# Altium PCB BMS_Slave-X+X.PcbDoc (part 3 of 3)
Units mil, origin at the board's own origin, x right, y up, seen from the top; angles counter-clockwise.
Board outline 10980 x 2910 mil, 2 copper layers (Top Layer, Bottom Layer); 344 components, 227 nets, 912 pads, 975 vias.
Unrouted connection lines stored in the file: 1.
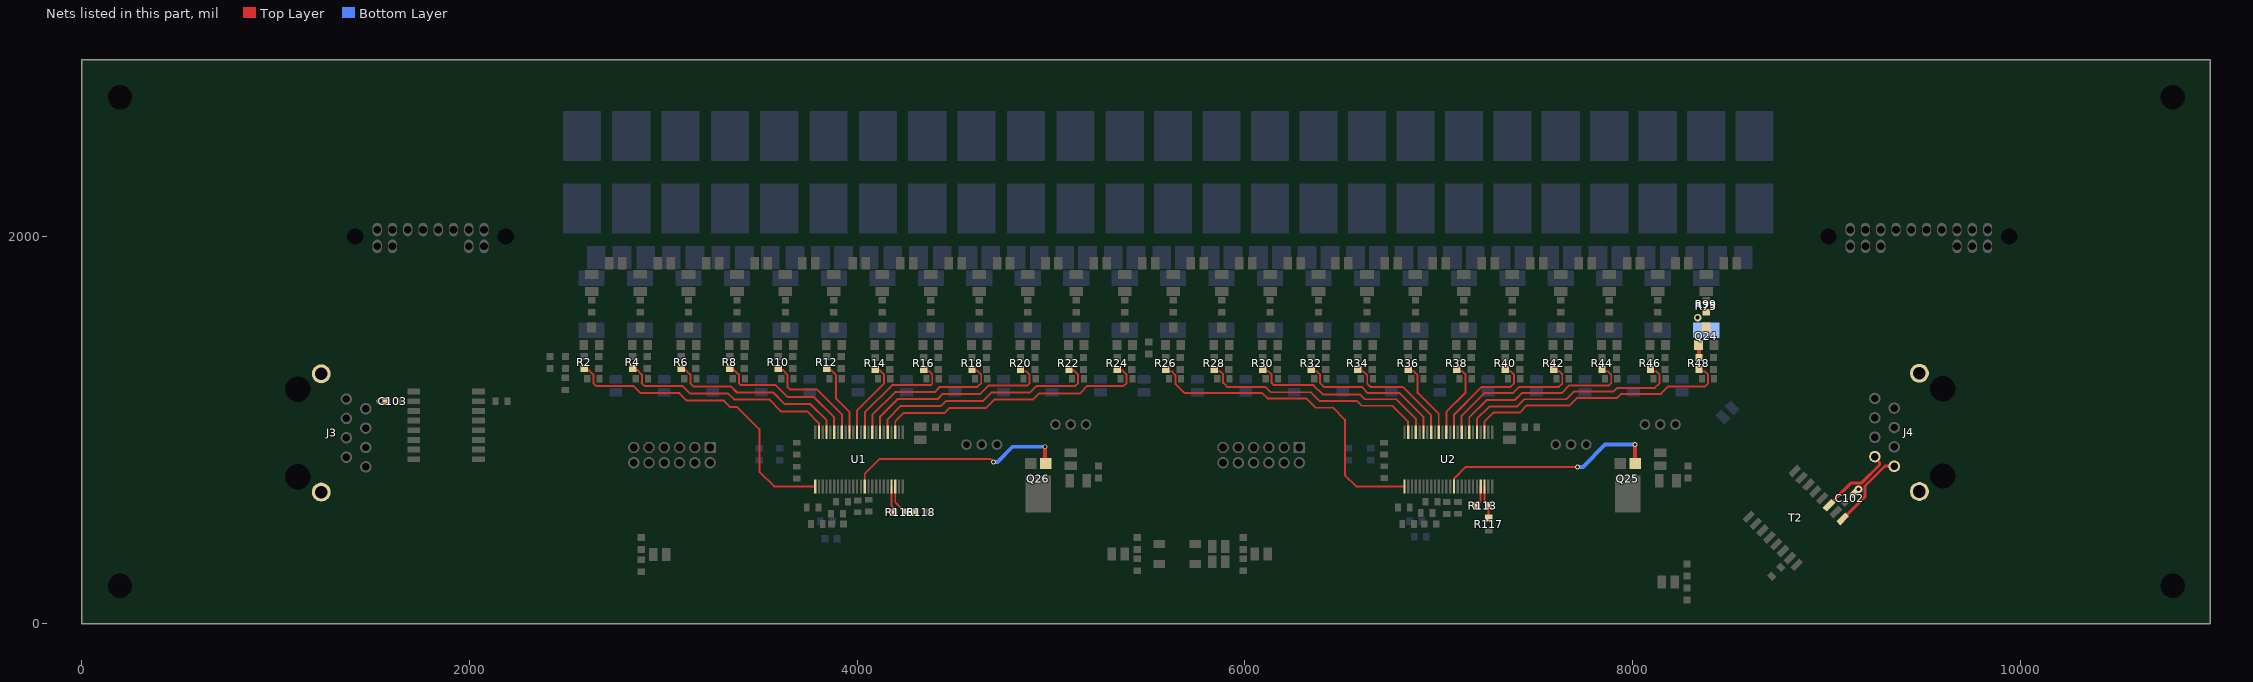
[diagram p3: the nets of this part, all layers, seen from the top]

## Via types
v1: diameter 25, hole 16, Top Layer to Bottom Layer, tented both sides, 689 vias
v2: diameter 39, hole 20, Top Layer to Bottom Layer, tented both sides, 183 vias
v3: diameter 25, hole 12, Top Layer to Bottom Layer, tented both sides, 62 vias
v4: diameter 39, hole 20, Top Layer to Bottom Layer, tented bottom, 25 vias
v5: diameter 25, hole 16, Top Layer to Bottom Layer, tented bottom, 12 vias
v6: diameter 50, hole 25, Top Layer to Bottom Layer, tented bottom, 4 vias

## Nets (pads, with @x,y where several pads share a name; then routed paths per layer and width w, separated by ;. In a path a pad name is that pad's centre, name@x,y a point inside that pad or via, vN(x,y) a via of type N, cw(c..) or ccw(c..) an arc to the next point about the centre after c; other vN are vias at no path point) (continued)
NetQ24_1: Q24.1 R48.2 | length 65.2
  Top Layer w20: R48.2@8342.6,1373.16 Q24.1@8342.6,1438.39
NetQ24_3: Q24.3 R75.2 R99.1
  other v2: 8335.91,1580.1
NetQ25_1: Q25.1 U2.38 | length 1132
  Top Layer w10: U2.38@7078.94,708.9 7078.94,749.13 7139.8,810 v1(7716.29,810)
  Top Layer w20: Q25.1@8011.82,838.35 v5(8011.82,924.57)
  Bottom Layer w20: v1(7716.29,810) 7743.62,810 7858.19,924.57 v5(8011.82,924.57)
NetQ26_1: Q26.1 U1.38 | length 1153.4
  Top Layer w10: U1.38@4038.47,708.43 U1.38@4038.94,708.9 4038.94,774.22 4114.72,850 4689,850 v1(4704,835) ; Q26.1@4969.46,828.66 Q26.1@4970.68,827.44
  Top Layer w20: Q26.1@4969.46,828.66 v5(4969.46,913.66)
  Bottom Layer w20: v1(4704,835) 4723.54,835 4802.2,913.66 v5(4969.46,913.66)
NetR113_1: R113.1 U2.45 | length 106.9
  Top Layer w10: R113.1@7197.5,610 7216.73,629.23 U2.45@7216.73,708.9
NetR113_2: R113.2 R117.1 U2.46 | length 171.2
  Top Layer w10: U2.46@7236.42,708.9 7236.42,630.08 R113.2@7256.5,610 ; R117.1@7258,546 R113.2@7258,610
NetR116_1: R116.1 U1.45 | length 139.6
  Top Layer w10: U1.45@4176.73,708.9 4176.73,608.27 4190.5,594.5 R116.1@4190.5,575
NetR116_2: R116.2 R118.1 U1.46 | length 206.9
  Top Layer w10: U1.46@4196.42,708.9 4196.42,628.08 4249.5,575 R118.1@4300.5,575
PORTB_N: J4.1 T2.1 | length 412.1
  Top Layer w15: T2.1@9084.2,541.71 9198.7,656.21 9198.7,711.11 9250.14,762.56 9250.27,762.56 9302.79,815.08 9347.8,815.08 J4.1@9350,812.87
PORTB_P: J4.2 T2.3 | length 400.5
  Top Layer w15: T2.3@9013.49,612.42 9128.76,727.7 9182.75,727.7 9274.64,819.58 9274.64,831.88 9250,856.52 J4.2@9250,862.87
S1: R2.1 U1.25 | length 1597.7
  Top Layer w10: R2.1@2592.6,1319.16 2603.1,1308.66 2616.29,1308.66 2639.4,1285.55 2639.4,1241.78 2655,1226.18 2847.48,1226.18 2883.48,1190.18 3082.54,1190.18 3121.06,1151.66 3312,1151.66 3345,1118.66 3381.34,1118.66 3495,1005 3495,785 3571.1,708.9 U1.25@3783.03,708.9
S2: R4.1 U1.23 | length 1150.1
  Top Layer w10: R4.1@2842.6,1319.16 R4.1@2851.81,1309.95 ; R4.1@2852.05,1310.18 2865.24,1310.18 2889.64,1285.78 2889.64,1243.55 ; 2888.5,1242.5 2904.82,1226.18 3099.64,1226.18 3138.16,1187.66 3335,1187.66 3365,1157.66 3545.54,1157.66 3606.54,1096.66 3741.71,1096.66 3802.72,1035.66 U1.23@3802.72,988.43
S3: R6.1 U1.21 | length 948.7
  Top Layer w10: R6.1@3092.6,1319.16 3102.46,1309.3 3115.64,1309.3 3129.79,1295.16 3139.4,1285.55 3139.4,1241.78 3157.52,1223.66 3350,1223.66 3380,1193.66 3566,1193.66 3626,1133.66 3759.24,1133.66 3842.09,1050.82 U1.21@3842.09,988.43
S4: R8.1 U1.19 | length 746.7
  Top Layer w10: R8.1@3342.6,1319.16 3352.46,1309.3 3365.64,1309.3 3389.4,1285.55 3389.4,1241.78 3399.02,1232.16 3435.79,1232.16 3435.88,1232.26 3579.54,1232.26 3642.14,1169.66 3777.28,1169.66 3881.46,1065.49 U1.19@3881.46,988.43
S5: R10.1 U1.17 | length 555.8
  Top Layer w10: R10.1@3592.6,1319.16 3601.81,1309.95 3615,1309.95 3640,1284.95 3640,1222.72 3654.05,1208.66 3792.91,1208.66 3920.83,1080.75 U1.17@3920.83,988.43
S6: R12.1 U1.15 | length 387.2
  Top Layer w10: R12.1@3842.6,1319.16 3853.6,1308.16 3866.79,1308.16 3890,1284.95 3890,1164.33 3960.2,1094.13 U1.15@3960.2,988.43
S7: R14.1 U1.13 | length 412
  Top Layer w10: U1.13@3999.57,988.43 3999.57,1101.94 4137.4,1239.78 4137.4,1287.55 4116.79,1308.16 4098.6,1308.16 R14.1@4092.6,1314.16
S8: R16.1 U1.11 | length 615.9
  Top Layer w10: U1.11@4038.94,988.43 4039.72,989.2 4039.72,1091.18 4180.7,1232.16 4379.79,1232.16 4387.4,1239.78 4387.4,1287.55 4371.79,1303.16 4353.6,1303.16 R16.1@4342.6,1314.16
S9: R18.1 U1.9 | length 821.9
  Top Layer w10: U1.9@4078.31,988.43 4078.31,1078.86 4195.61,1196.16 4401.1,1196.16 4427.31,1222.38 4620,1222.38 4640,1242.38 4640,1284.95 4616.79,1308.16 4598.6,1308.16 R18.1@4592.6,1314.16
S10: R20.1 U1.7 | length 1025.8
  Top Layer w10: U1.7@4117.68,988.43 4117.68,1067.32 4210.52,1160.16 4416.01,1160.16 4442.22,1186.38 4634.91,1186.38 4677.2,1228.66 4876.29,1228.66 4890,1242.38 4890,1284.95 4871.79,1303.16 4853.6,1303.16 R20.1@4842.6,1314.16
S11: R22.1 U1.5 | length 1229.7
  Top Layer w10: U1.5@4157.05,988.43 4157.05,1055.78 4225.43,1124.16 4433.79,1124.16 4460,1150.38 4649.82,1150.38 4692.11,1192.66 4891.2,1192.66 4926.6,1228.06 5125.69,1228.06 5140,1242.38 5140,1284.95 5116.79,1308.16 5098.6,1308.16 R22.1@5092.6,1314.16
S12: R24.1 U1.3 | length 1433.5
  Top Layer w10: U1.3@4196.42,988.43 4196.42,1044.23 4240.34,1088.16 4451.24,1088.16 4477.46,1114.38 4664.73,1114.38 4707.02,1156.66 4906.11,1156.66 4937.11,1187.66 5147.66,1187.66 5187.38,1227.38 5375,1227.38 5390,1242.38 5390,1284.95 5366.79,1308.16 5348.6,1308.16 R24.1@5342.6,1314.16
S13: R26.1 U2.25 | length 1674.8
  Top Layer w10: R26.1@5592.6,1314.16 5603.6,1303.16 5621.79,1303.16 5641.4,1283.55 5641.4,1239.78 5690.18,1191 6089.03,1191 6117.03,1163 6317,1163 6365,1115 6455,1115 6516.16,1053.84 6516.16,767.07 6574.33,708.9 U2.25@6823.03,708.9
S14: R28.1 U2.23 | length 1192.8
  Top Layer w10: R28.1@5842.6,1314.16 5853.6,1303.16 5871.79,1303.16 5887.4,1287.55 5887.4,1243.78 5908.18,1223 6105.55,1223 6133.55,1195 6339.5,1195 6384.5,1150 6578.04,1150 6602.76,1125.28 6760.63,1125.28 6842.72,1043.19 U2.23@6842.72,988.43
S15: R30.1 U2.21 | length 990.9
  Top Layer w10: R30.1@6092.6,1314.16 6103.6,1303.16 6121.79,1303.16 6137.98,1286.97 6137.98,1243.2 6149.02,1232.16 6353.76,1232.16 6403.37,1182.55 6594.82,1182.55 6618.37,1159 6781.28,1159 6882.09,1058.19 U2.21@6882.09,988.43
S16: R32.1 U2.19 | length 786.4
  Top Layer w10: R32.1@6342.6,1314.16 6353.6,1303.16 6371.79,1303.16 6387.4,1287.55 6387.4,1243.78 6410,1221.18 6604.75,1221.18 6634.92,1191 6799,1191 6921.46,1068.54 U2.19@6921.46,988.43
S17: R34.1 U2.17 | length 589.8
  Top Layer w10: R34.1@6582.6,1314.16 6593.6,1303.16 6611.79,1303.16 6631.4,1283.55 6631.4,1239.78 6648.18,1223 6813.4,1223 6960.83,1075.57 U2.17@6960.83,988.43
S18: R36.1 U2.15 | length 401.7
  Top Layer w10: R36.1@6842.6,1314.16 6853.6,1303.16 6871.79,1303.16 6891.4,1283.55 6891.4,1192.11 7000.2,1083.32 U2.15@7000.2,988.43
S19: R38.1 U2.13 | length 395.5
  Top Layer w10: U2.13@7039.57,988.43 7039.57,1093.28 7137.4,1191.12 7137.4,1287.55 7121.79,1303.16 7103.6,1303.16 R38.1@7092.6,1314.16
S20: R40.1 U2.11 | length 569.2
  Top Layer w10: U2.11@7078.94,988.43 7078.94,1078.94 7222.1,1222.1 7369.73,1222.1 7387.4,1239.78 7387.4,1287.55 7371.79,1303.16 7353.6,1303.16 R40.1@7342.6,1314.16
S21: R42.1 U2.9 | length 776.4
  Top Layer w10: U2.9@7118.31,988.43 7118.31,1073.05 7235.36,1190.1 7382.98,1190.1 7415.6,1222.72 7620.34,1222.72 7637.4,1239.78 7637.4,1287.55 7621.79,1303.16 7603.6,1303.16 R42.1@7592.6,1314.16
S22: R44.1 U2.7 | length 984.5
  Top Layer w10: U2.7@7157.68,988.43 7157.68,1065.05 7247.63,1155 7393.13,1155 7428.85,1190.72 7633.6,1190.72 7672.88,1230 7877.62,1230 7890,1242.38 7890,1284.95 7871.79,1303.16 7853.6,1303.16 R44.1@7842.6,1314.16
S23: R46.1 U2.5 | length 1190.4
  Top Layer w10: U2.5@7197.05,988.43 7197.05,1057.05 7262.45,1122.45 7405.84,1122.45 7442.11,1158.72 7658.22,1158.72 7697.51,1198 7901,1198 7921,1218 8115.62,1218 8140,1242.38 8140,1284.95 8121.79,1303.16 8103.6,1303.16 R46.1@8092.6,1314.16
S24: R48.1 U2.3 | length 1395
  Top Layer w10: U2.3@7236.42,988.43 7236.42,1044.54 7282.33,1090.45 7419.1,1090.45 7455.36,1126.72 7676.14,1126.72 7715.43,1166 7920.9,1166 7940.9,1186 8146,1186 8185,1225 8374.77,1225 8390,1240.23 8390,1284.95 8371.79,1303.16 8353.6,1303.16 R48.1@8342.6,1314.16
SHIELD1: C103.2 J3.9 J3.10 | length 33.3
  Top Layer w30: v2(1540.38,1149.5) 1540.63,1149.25 1573.25,1149.25 C103.2@1573.5,1149
SHIELD2: C102.2 J4.9 J4.10 | length 33.1
  Top Layer w30: C102.2@9142.27,671.27 v2(9165.7,694.7)
pads on no net: J1.11 J1.12 J2.11 J2.12 J3.3 J3.4 J3.5 J3.6 J3.7 J3.8 J3.MH1 J3.MH2 J4.3 J4.4 J4.5 J4.6 J4.7 J4.8 J4.MH1 J4.MH2 P1.0 P2.0 P2.1 P2.2 P2.3 T1.4 T1.5 T1.6 T1.7 T1.8 T1.9 T1.10 T1.11 T1.12 T1.13 T2.4 T2.5 T2.6 T2.7 T2.8 T2.9 T2.10 T2.11 T2.12 T2.13 U1.39 U1.43 U1.44 U2.39 U2.43 U2.44

## Polygon pours and split planes (outlines as drawn)
GNDB on Bottom Layer "Bottom Layer-GNDB" (solid, pour order 227): 5683,5 8965,20 8965,152.43 8469.47,645.47 8469.48,992.48 8496,1019 8496,1051.1 8446.4,1098.32 8406.7,1098.32 8290.25,1215 5683,1215 5598,1250 5563.12,1325.12 5529,1307 5532.87,1255.15 5683,947.95
GNDA on Bottom Layer "Bottom Layer-GNDA" (solid, remove dead copper, pour order 210): 2079,1349 2435,1349 2552.5,1219 5450,1219 5505,1201.5 5630,937.37 5630,5 2079,5
NetC69_1 on Bottom Layer "Buttom Layer-NetC69_1" (solid, pour order 213): 7893.1,700 8041.05,700 8091.05,650 8275,650 8325,700 8375,700 8375,630 8180,435 7893.1,435
SHIELD1 on Bottom Layer "Bottom-GND_EARTH 1" (solid, remove dead copper, pour order 431): 1675,1412 1675,625 1530,480 1530,0 0,0 0,1412
SHIELD2 on Bottom Layer "Bottom-GND_EARTH 1" (solid, remove dead copper, pour order 427): 9469,213.06 8852.18,821.18 9092,1061 9092,1341 10980,1341 10980,5.2 9469,14.18
NetQ12_3 on Bottom Layer "Bottom-N18852330" (solid, remove dead copper, pour order 191): 5303.23,1432.6 5409.09,1432.6 5456.77,1485.7 5456.77,1612.6 5303.23,1612.6
NetC70_1 on Bottom Layer "Buttom Layer-NetC70_1" (solid, pour order 209): 4884.92,725 4995,725 5038.43,681.57 5260,681.57 5345,775.03 5345,985 5558.85,985 5575,948.98 5575,550.95 4884.92,550.95
NetQ24_3 on Bottom Layer "Bottom-N18852330" (solid, remove dead copper, pour order 202): 8303.23,1435.1 8456.77,1435.1 8456.77,1615.1 8303.23,1615.1
CELL16 on Bottom Layer "Bottom-N17555838" (solid, remove dead copper, pour order 204): 6706.77,1921.16 6553.23,1921.16 6553.23,1741.16 6706.77,1741.16
NetQ17_3 on Bottom Layer "Bottom-N18852330" (solid, remove dead copper, pour order 203): 6553.23,1435.1 6706.77,1435.1 6706.77,1615.1 6553.23,1615.1
NetQ23_3 on Bottom Layer "Bottom-N18852330" (solid, remove dead copper, pour order 201): 8053.23,1435.1 8206.77,1435.1 8206.77,1615.1 8053.23,1615.1
NetQ22_3 on Bottom Layer "Bottom-N18852330" (solid, remove dead copper, pour order 200): 7803.23,1435.1 7956.77,1435.1 7956.77,1615.1 7803.23,1615.1
NetQ21_3 on Bottom Layer "Bottom-N18852330" (solid, remove dead copper, pour order 199): 7553.23,1435.1 7706.77,1435.1 7706.77,1615.1 7553.23,1615.1
NetQ20_3 on Bottom Layer "Bottom-N18852330" (solid, remove dead copper, pour order 198): 7303.23,1435.1 7456.77,1435.1 7456.77,1615.1 7303.23,1615.1
NetQ19_3 on Bottom Layer "Bottom-N18852330" (solid, remove dead copper, pour order 197): 7053.23,1435.1 7206.77,1435.1 7206.77,1615.1 7053.23,1615.1
NetQ18_3 on Bottom Layer "Bottom-N18852330" (solid, remove dead copper, pour order 196): 6803.23,1435.1 6956.77,1435.1 6956.77,1615.1 6803.23,1615.1
NetQ16_3 on Bottom Layer "Bottom-N18852330" (solid, remove dead copper, pour order 195): 6303.23,1435.1 6456.77,1435.1 6456.77,1615.1 6303.23,1615.1
NetQ15_3 on Bottom Layer "Bottom-N18852330" (solid, remove dead copper, pour order 194): 6053.23,1435.1 6206.77,1435.1 6206.77,1615.1 6053.23,1615.1
NetQ14_3 on Bottom Layer "Bottom-N18852330" (solid, remove dead copper, pour order 193): 5803.23,1435.1 5956.77,1435.1 5956.77,1615.1 5803.23,1615.1
NetQ13_3 on Bottom Layer "Bottom-N18852330" (solid, remove dead copper, pour order 192): 5553.23,1435.1 5706.77,1435.1 5706.77,1615.1 5553.23,1615.1
NetQ11_3 on Bottom Layer "Bottom-N18852330" (solid, remove dead copper, pour order 190): 5053.23,1432.6 5206.77,1432.6 5206.77,1612.6 5053.23,1612.6
NetQ10_3 on Bottom Layer "Bottom-N18852330" (solid, remove dead copper, pour order 189): 4803.23,1432.6 4956.77,1432.6 4956.77,1612.6 4803.23,1612.6
NetQ9_3 on Bottom Layer "Bottom-N18852330" (solid, remove dead copper, pour order 188): 4553.23,1432.6 4706.77,1432.6 4706.77,1612.6 4553.23,1612.6
NetQ8_3 on Bottom Layer "Bottom-N18852330" (solid, remove dead copper, pour order 187): 4303.23,1432.6 4456.77,1432.6 4456.77,1612.6 4303.23,1612.6
NetQ7_3 on Bottom Layer "Bottom-N18852330" (solid, remove dead copper, pour order 186): 4053.23,1432.6 4206.77,1432.6 4206.77,1612.6 4053.23,1612.6
NetQ6_3 on Bottom Layer "Bottom-N18852330" (solid, remove dead copper, pour order 185): 3803.23,1432.6 3956.77,1432.6 3956.77,1612.6 3803.23,1612.6
NetQ5_3 on Bottom Layer "Bottom-N18852330" (solid, remove dead copper, pour order 184): 3553.23,1432.6 3706.77,1432.6 3706.77,1612.6 3553.23,1612.6
NetQ4_3 on Bottom Layer "Bottom-N18852330" (solid, remove dead copper, pour order 183): 3303.23,1432.6 3456.77,1432.6 3456.77,1612.6 3303.23,1612.6
NetQ3_3 on Bottom Layer "Bottom-N18852330" (solid, remove dead copper, pour order 182): 3053.23,1432.6 3206.77,1432.6 3206.77,1612.6 3053.23,1612.6
NetQ2_3 on Bottom Layer "Bottom-N18852330" (solid, remove dead copper, pour order 181): 2803.23,1432.6 2956.77,1432.6 2956.77,1612.6 2803.23,1612.6
NetQ1_3 on Bottom Layer "Bottom-N18852330" (solid, remove dead copper, pour order 180): 2553.23,1432.6 2706.77,1432.6 2706.77,1612.6 2553.23,1612.6
CELL12 on Bottom Layer "Bottom-N17555838" (solid, remove dead copper, pour order 179): 5706.77,1921.16 5553.23,1921.16 5553.23,1741.16 5706.77,1741.16
CELL13 on Bottom Layer "Bottom-N17555838" (solid, remove dead copper, pour order 178): 5956.77,1921.16 5803.23,1921.16 5803.23,1741.16 5956.77,1741.16
CELL14 on Bottom Layer "Bottom-N17555838" (solid, remove dead copper, pour order 177): 6206.77,1921.16 6053.23,1921.16 6053.23,1741.16 6206.77,1741.16
CELL15 on Bottom Layer "Bottom-N17555838" (solid, remove dead copper, pour order 176): 6456.77,1921.16 6303.23,1921.16 6303.23,1741.16 6456.77,1741.16
CELL17 on Bottom Layer "Bottom-N17555838" (solid, remove dead copper, pour order 175): 6956.77,1921.16 6803.23,1921.16 6803.23,1741.16 6956.77,1741.16
CELL18 on Bottom Layer "Bottom-N17555838" (solid, remove dead copper, pour order 174): 7206.77,1921.16 7053.23,1921.16 7053.23,1741.16 7206.77,1741.16
CELL19 on Bottom Layer "Bottom-N17555838" (solid, remove dead copper, pour order 173): 7456.77,1921.16 7303.23,1921.16 7303.23,1741.16 7456.77,1741.16
CELL20 on Bottom Layer "Bottom-N17555838" (solid, remove dead copper, pour order 172): 7706.77,1921.16 7553.23,1921.16 7553.23,1741.16 7706.77,1741.16
CELL21 on Bottom Layer "Bottom-N17555838" (solid, remove dead copper, pour order 171): 7956.77,1921.16 7803.23,1921.16 7803.23,1741.16 7956.77,1741.16
CELL22 on Bottom Layer "Bottom-N17555838" (solid, remove dead copper, pour order 170): 8206.77,1921.16 8053.23,1921.16 8053.23,1741.16 8206.77,1741.16
CELL23 on Bottom Layer "Bottom-N17555838" (solid, remove dead copper, pour order 169): 8456.77,1921.16 8303.23,1921.16 8303.23,1741.16 8456.77,1741.16
CELL11 on Bottom Layer "Bottom-N17555838" (solid, remove dead copper, pour order 168): 5456.77,1918.66 5303.23,1918.66 5303.23,1738.66 5456.77,1738.66
CELL10 on Bottom Layer "Bottom-N17555838" (solid, remove dead copper, pour order 167): 5206.77,1918.66 5053.23,1918.66 5053.23,1738.66 5206.77,1738.66
CELL9 on Bottom Layer "Bottom-N17555838" (solid, remove dead copper, pour order 166): 4956.77,1918.66 4803.23,1918.66 4803.23,1738.66 4956.77,1738.66
CELL8 on Bottom Layer "Bottom-N17555838" (solid, remove dead copper, pour order 165): 4706.77,1918.66 4553.23,1918.66 4553.23,1738.66 4706.77,1738.66
CELL7 on Bottom Layer "Bottom-N17555838" (solid, remove dead copper, pour order 164): 4456.77,1918.66 4303.23,1918.66 4303.23,1738.66 4456.77,1738.66
CELL6 on Bottom Layer "Bottom-N17555838" (solid, remove dead copper, pour order 163): 4206.77,1918.66 4053.23,1918.66 4053.23,1738.66 4206.77,1738.66
CELL5 on Bottom Layer "Bottom-N17555838" (solid, remove dead copper, pour order 162): 3956.77,1918.66 3803.23,1918.66 3803.23,1738.66 3956.77,1738.66
CELL4 on Bottom Layer "Bottom-N17555838" (solid, remove dead copper, pour order 161): 3706.77,1918.66 3553.23,1918.66 3553.23,1738.66 3706.77,1738.66
CELL3 on Bottom Layer "Bottom-N17555838" (solid, remove dead copper, pour order 160): 3456.77,1918.66 3303.23,1918.66 3303.23,1738.66 3456.77,1738.66
CELL2 on Bottom Layer "Bottom-N17555838" (solid, remove dead copper, pour order 159): 3206.77,1918.66 3053.23,1918.66 3053.23,1738.66 3206.77,1738.66
CELL1 on Bottom Layer "Bottom-N17555838" (solid, remove dead copper, pour order 158): 2956.77,1918.66 2803.23,1918.66 2803.23,1738.66 2956.77,1738.66
CELL0 on Bottom Layer "Bottom-N17555838" (solid, remove dead copper, pour order 157): 2706.77,1918.66 2553.23,1918.66 2553.23,1738.66 2706.77,1738.66
GNDB on Top Layer "SPI-SHIELDING" (solid, pour order 445): 7297.64,630 7298.14,629.5 7360.29,629.5 7371.79,618 7371.79,492.03 7690.27,185 8065.14,185 8129.69,120 8235,120 8235,94 8325,94 8325,133 8342,149 8342,175.3 8358.37,192 8653.42,192 8674.03,172.97 8761,173.01 8823.5,235.5 8947,120 8947,52 7638,52 7297.64,392.36
GNDB on Top Layer "Top Layer-GNDB 2" (solid, pour order 423): 5680,444.96 5680,510.12 6346.88,510.12 6435,422 6996,422 7090.09,516.09 7090,522.43 7123.1,522.43 7123.54,521.99 7123.54,493.17 7011.12,380.75 6213.04,380.75 6145,448.79 6027,448.79 6027,472 5955,472 5955,444.96
GNDB on Top Layer "SPI-SHIELDING" (solid, pour order 447): 7297.31,774 7481,774 7865,390 8215.66,390 8433.83,608.17 8686,356 8686,318 8648,282.99 8648,255.68 8636,243.68 8394,243.68 8326.34,311.34 8326,340 8236,340 8236,311.34 8137,311.34 8053.49,236 7715.28,236 7425.72,525.56 7425.72,644.28 7382,688 7297.31,688
GNDA on Top Layer "Top Layer-GNDA 4" (solid, pour order 417): 5633.46,449.13 5633.46,510.12 4819.58,510.12 4494.71,835 4187.73,835 4157.05,803.71 4157.05,801.03 4157.05,778.37 4205.36,778.37 4230.7,803.71 4381.73,803.71 4799.33,386.11 5224.12,386.11 5287.15,449.13 5406,449.13 5406,478 5483,478 5483,449.13
GNDA on Top Layer "Top Layer-GNDA 2" (solid, pour order 419): 5633.96,270.26 5633.96,206.25 4784.9,206.25 4715,276.16 4383,603.15 4243,603.15 4211.71,634.42 4211.71,660 4255,660 4255,749.76 4361.4,749.89 4776.15,335.87 5223.94,334.71 5288.39,270.26 5406,270.26 5406,249 5483,249 5483,270.26
GNDA on Top Layer "Top Layer-GNDB 2" (solid, pour order 429): 2602,379.75 2602,915.92 2324.94,1178 2274,1178 2213,1236.32 2081,1236.32 2081,1349 2323,1349 2364.8,1307.2 2364.8,1230.84 2753.81,862.86 2753.81,739.33 2925.1,614.97 3165.92,615.29 3376.6,416 3917,416 4028,527 4070,527 4070,510 3939.75,379.75 3103.79,379.75 3033.54,450 2925,450 2925,480 2850,480 2850,433 2837,420 2837,396.08 2820,379.75
GNDA on Top Layer "SPI-SHIELDING" (solid, pour order 443): 2120,1074 2244,1074 2267,1097 2309,1097 2531,875 2531,495.97 2701.28,326 2820,326 2833,313 2833,286.52 2851,268.52 2851,230 2925,230 2925,263 3033,263 3101,331 3975,331 4135,491 4135,660 4157.05,660 4157.05,421 3886.05,150 2705,150 2384,471 2384,771 2309,846 2120,846
GNDA on Top Layer "SPI-SHIELDING" (solid, pour order 439): 1873,902
NetC69_1 on Top Layer "Buttom Layer-NetC69_1" (solid, pour order 211): 7893.1,700 8041.05,700 8091.05,650 8275.15,650 8325.15,700 8374.77,700 8374.77,631.77 8178,435 7893.1,435
GNDB on Top Layer "Top Layer-GNDB 1" (solid, pour order 425): 5680,269.68 5680,206.25 6351.25,206.25 6426.14,281.14 7052.47,281 7213.27,441.8 7213.13,560 7172.13,560 7172.13,473.04 7031.25,332.16 6217.69,332.16 6157.37,271.84 6027,271.84 6027,249 5955,249 5955,269.68
GNDA on Top Layer "Top Layer-GNDA 1" (solid, pour order 421): 4304.51,603.15 4389.75,603.15 4389.75,661.74 4390.5,662.48 4304.51,662.48
NetC70_1 on Top Layer "Buttom Layer-NetC70_1" (solid, pour order 405): 4884.92,725 4995,725 5038.43,681.57 5260,681.57 5345,775.03 5345,1065 5522.97,1065 5575,948.98 5575,550.95 4884.92,550.95

## Keep-outs
Top Layer:
  region: 5215,538.74 5619.4,538.74 5619.4,521.05 5215,521.05
  region: 5632.41,514.57
  region: 7148.31,789.65 7210,789.65 7210,771.34 7196.42,757.76 7118.7,757.76
Keep-Out Layer:
  circle w10: c10787.4,2716.54 r120.46
  circle w10: c10787.4,196.85 r120.46
  circle w10: c196.85,196.85 r120.46

## Other copper
Top Layer:
  pour cut-out: 116,2033.78
  pour cut-out: 4238,590.39 4238,603.15 4317.96,603.15 4320.45,600.67 4320.45,590.39
  pour cut-out: 7075,610 7122.04,610 7123.71,608.33 7123.71,588.24 7075,588.24
  pour cut-out: 4208.85,749.76 4255,749.76 4255,662.48 4252.52,660 4208.85,660
  pour cut-out: 7166.63,667.46 7213.21,667.46 7213.21,571.35 7167.57,571.35
  pour cut-out: 5828.47,285.85 5828.47,434.15 6144.35,434.15 6215,363.5 6215,349.46 6151.39,285.85
  pour cut-out: 4157.05,778.37 4207.01,778.37 4200.81,772.17 4200.81,750.33 4157.05,750.33
  pour cut-out: 5314.96,444.96 5633.46,444.96 5634.42,512.34 5680,512.34 5680,444.96 5965.82,444.96 5965.82,269.68 5680,269.68 5680,201.68 5633.96,202.23 5633.96,269.68 5320.32,269.68 5230,360
  region net C12: 5451,1302 5455.52,1306 5504.48,1306 5509,1302 5509,1263.66 5451,1263.66
  region net C24: 8521.92,1179.49 8578.49,1122.92 8526.77,1071.2 8470.2,1127.77
  region net C23: 8215,1313.81 8295,1313.81 8295,1263.66 8215,1263.66
  region net C22: 7965,1313.81 8045,1313.81 8045,1263.66 7965,1263.66
  region net C21: 7715,1313.81 7795,1313.81 7795,1263.66 7715,1263.66
  region net C20: 7465,1313.81 7545,1313.81 7545,1263.66 7465,1263.66
  region net C19: 7215,1313.81 7295,1313.81 7295,1263.66 7215,1263.66
  region net C18: 6965,1313.81 7045,1313.81 7045,1263.66 6965,1263.66
  region net C17: 6715,1313.81 6795,1313.81 6795,1263.66 6715,1263.66
  region net C16: 6465,1313.81 6545,1313.81 6545,1263.66 6465,1263.66
  region net C15: 6215,1313.81 6295,1313.81 6295,1263.66 6215,1263.66
  region net C14: 5965,1313.81 6045,1313.81 6045,1263.66 5965,1263.66
  region net C13: 5715,1313.81 5795,1313.81 5795,1263.66 5715,1263.66
  region net C11: 5215,1313.81 5295,1313.81 5295,1263.66 5215,1263.66
  region net C10: 4965,1313.81 5045,1313.81 5045,1263.66 4965,1263.66
  region net C9: 4715,1313.81 4795,1313.81 4795,1263.66 4715,1263.66
  region net C8: 4465,1313.81 4545,1313.81 4545,1263.66 4465,1263.66
  region net C7: 4215,1313.81 4295,1313.81 4295,1263.66 4215,1263.66
  region net C6: 3965,1313.81 4045,1313.81 4045,1263.66 3965,1263.66
  region net C5: 3715,1313.81 3795,1313.81 3795,1263.66 3715,1263.66
  region net C4: 3465,1313.81 3545,1313.81 3545,1263.66 3465,1263.66
  region net C3: 3215,1313.81 3295,1313.81 3295,1263.66 3215,1263.66
  region net C2: 2965,1313.81 3045,1313.81 3045,1263.66 2965,1263.66
  region net C1: 2715,1313.81 2795,1313.81 2795,1263.66 2715,1263.66
  region net CELL_UF_24: 8810,2848 8530,2848 8530,2803 8810,2803
  region net CELL_UF_23: 8280.45,2730 8480,2730 8480,2850 8280.45,2850
  region net CELL_UF_22: 8030.45,2730 8230,2730 8230,2850 8030.45,2850
  region net CELL_UF_21: 7780.45,2730 7980,2730 7980,2850 7780.45,2850
  region net CELL_UF_20: 7530.45,2730 7730,2730 7730,2850 7530.45,2850
  region net CELL_UF_19: 7280.45,2730 7480,2730 7480,2850 7280.45,2850
  region net CELL_UF_18: 7030.45,2730 7230,2730 7230,2850 7030.45,2850
  region net CELL_UF_17: 6780.45,2730 6980,2730 6980,2850 6780.45,2850
  region net CELL_UF_16: 6530.45,2730 6730,2730 6730,2850 6530.45,2850
  region net CELL_UF_15: 6280.45,2730 6480,2730 6480,2850 6280.45,2850
  region net CELL_UF_14: 6030.45,2730 6230,2730 6230,2850 6030.45,2850
  region net CELL_UF_13: 5780.45,2730 5980,2730 5980,2850 5780.45,2850
  region net CELL_UF_12: 5530.45,2730 5730,2730 5730,2850 5530.45,2850
  region net CELL_UF_11: 5280.45,2730 5480,2730 5480,2850 5280.45,2850
  region net CELL_UF_10: 5025.91,2730 5225.45,2730 5225.45,2850 5025.91,2850
  region net CELL_UF_9: 4771.36,2730 4970.91,2730 4970.91,2850 4771.36,2850
  region net CELL_UF_8: 4516.82,2730 4716.36,2730 4716.36,2850 4516.82,2850
  region net CELL_UF_7: 4262.27,2730 4461.82,2730 4461.82,2850 4262.27,2850
  region net CELL_UF_6: 4007.73,2730 4207.27,2730 4207.27,2850 4007.73,2850
  region net CELL_UF_5: 3753.18,2730 3952.73,2730 3952.73,2850 3753.18,2850
  region net CELL_UF_4: 3498.64,2730 3698.18,2730 3698.18,2850 3498.64,2850
  region net CELL_UF_3: 3244.09,2730 3443.64,2730 3443.64,2850 3244.09,2850
  region net CELL_UF_2: 2989.55,2730 3189.09,2730 3189.09,2850 2989.55,2850
  region net CELL_UF_1: 2735,2730 2934.55,2730 2934.55,2850 2735,2850
  region net CELL_UF_0: 2400,2805 2680,2805 2680,2850 2400,2850
  region net GNDB: 7078.12,578.63 7123,578.63 7123,532.63 7078.12,532.63
  region net GNDB: 7019.12,577.63 7067.23,577.63 7067.23,531.63 7019.12,531.63
  region net GNDA: 4035.7,589 4074.33,589 4074.33,543 4035.7,543
  region net GNDA: 3979.88,585 4028,585 4028,539 3979.88,539
  region net CELL24: 8537.48,1800 8620.16,1800 8620.16,1862.41 8537.48,1862.41
  region net CELL22: 8037.48,1770.45 8120.16,1770.45 8120.16,1862.41 8037.48,1862.41
  region net CELL1: 2787.48,1767.95 2880,1767.95 2880,1859.91 2787.48,1859.91
  region net CELL2: 3037.48,1767.95 3130,1767.95 3130,1859.91 3037.48,1859.91
  region net CELL3: 3287.48,1767.95 3380,1767.95 3380,1859.91 3287.48,1859.91
  region net CELL4: 3537.48,1767.95 3630,1767.95 3630,1859.91 3537.48,1859.91
  region net CELL5: 3787.48,1767.95 3880,1767.95 3880,1859.91 3787.48,1859.91
  region net CELL6: 4037.48,1767.95 4130,1767.95 4130,1859.91 4037.48,1859.91
  region net CELL7: 4287.48,1767.95 4380,1767.95 4380,1859.91 4287.48,1859.91
  region net CELL8: 4537.48,1767.95 4630,1767.95 4630,1859.91 4537.48,1859.91
  region net CELL11: 5287.48,1767.95 5380,1767.95 5380,1859.91 5287.48,1859.91
  region net CELL10: 5037.48,1767.95 5130,1767.95 5130,1859.91 5037.48,1859.91
  region net CELL9: 4787.48,1767.95 4880,1767.95 4880,1859.91 4787.48,1859.91
  region net CELL12: 5537.48,1770.45 5620.16,1770.45 5620.16,1862.41 5537.48,1862.41
  region net CELL13: 5787.48,1770.45 5870.16,1770.45 5870.16,1862.41 5787.48,1862.41
  region net CELL14: 6037.48,1770.45 6120.16,1770.45 6120.16,1862.41 6037.48,1862.41
  region net CELL15: 6287.48,1770.45 6370.16,1770.45 6370.16,1862.41 6287.48,1862.41
  region net CELL16: 6537.48,1770.45 6620.16,1770.45 6620.16,1862.41 6537.48,1862.41
  region net CELL17: 6787.48,1770.45 6870.16,1770.45 6870.16,1862.41 6787.48,1862.41
  region net CELL18: 7037.48,1770.45 7120.16,1770.45 7120.16,1862.41 7037.48,1862.41
  region net CELL19: 7287.48,1770.45 7370.16,1770.45 7370.16,1862.41 7287.48,1862.41
  region net CELL21: 7787.48,1770.45 7870.16,1770.45 7870.16,1862.41 7787.48,1862.41
  region net CELL20: 7537.48,1770.45 7620.16,1770.45 7620.16,1862.41 7537.48,1862.41
  region net CELL24: 8436,1409.01 8524,1409.01 8524,1487 8436,1487
  region net NetQ24_3: 8315.91,1615.1 8395.91,1615.1 8395.91,1505.1 8315.91,1505.1 8315.91,1615.1
  region net NetQ23_3: 8065.91,1615.1 8145.91,1615.1 8145.91,1505.1 8065.91,1505.1 8065.91,1615.1
  region net NetQ22_3: 7815.91,1615.1 7895.91,1615.1 7895.91,1505.1 7815.91,1505.1 7815.91,1615.1
  region net NetQ21_3: 7565.91,1615.1 7645.91,1615.1 7645.91,1505.1 7565.91,1505.1 7565.91,1615.1
  region net NetQ20_3: 7315.91,1615.1 7395.91,1615.1 7395.91,1505.1 7315.91,1505.1 7315.91,1615.1
  region net NetQ19_3: 7065.91,1615.1 7145.91,1615.1 7145.91,1505.1 7065.91,1505.1 7065.91,1615.1
  region net NetQ18_3: 6815.91,1615.1 6895.91,1615.1 6895.91,1505.1 6815.91,1505.1 6815.91,1615.1
  region net NetQ17_3: 6565.91,1615.1 6645.91,1615.1 6645.91,1505.1 6565.91,1505.1 6565.91,1615.1
  region net NetQ16_3: 6315.91,1615.1 6395.91,1615.1 6395.91,1505.1 6315.91,1505.1 6315.91,1615.1
  region net NetQ15_3: 6065.91,1615.1 6145.91,1615.1 6145.91,1505.1 6065.91,1505.1 6065.91,1615.1
  region net NetQ14_3: 5815.91,1615.1 5895.91,1615.1 5895.91,1505.1 5815.91,1505.1 5815.91,1615.1
  region net NetQ13_3: 5565.91,1615.1 5645.91,1615.1 5645.91,1505.1 5565.91,1505.1 5565.91,1615.1
  region net NetQ12_3: 5315.91,1612.6 5395.91,1612.6 5395.91,1502.6 5315.91,1502.6 5315.91,1612.6
  region net NetQ11_3: 5065.91,1612.6 5145.91,1612.6 5145.91,1502.6 5065.91,1502.6 5065.91,1612.6
  region net NetQ10_3: 4815,1613.66 4895,1613.66 4895,1503.66 4815,1503.66 4815,1613.66
  region net NetQ9_3: 4565.91,1612.6 4645.91,1612.6 4645.91,1502.6 4565.91,1502.6 4565.91,1612.6
  region net NetQ8_3: 4315.91,1612.6 4395.91,1612.6 4395.91,1502.6 4315.91,1502.6 4315.91,1612.6
  region net NetQ7_3: 4065.91,1612.6 4145.91,1612.6 4145.91,1502.6 4065.91,1502.6 4065.91,1612.6
  region net NetQ6_3: 3815.91,1612.6 3895.91,1612.6 3895.91,1502.6 3815.91,1502.6 3815.91,1612.6
  region net NetQ5_3: 3565.91,1612.6 3645.91,1612.6 3645.91,1502.6 3565.91,1502.6 3565.91,1612.6
  region net NetQ4_3: 3315.91,1612.6 3395.91,1612.6 3395.91,1502.6 3315.91,1502.6 3315.91,1612.6
  region net NetQ3_3: 3065.91,1612.6 3145.91,1612.6 3145.91,1502.6 3065.91,1502.6 3065.91,1612.6
  region net NetQ1_3: 2565.91,1612.6 2645.91,1612.6 2645.91,1502.6 2565.91,1502.6 2565.91,1612.6
  region net NetQ2_3: 2816.14,1612.83 2896.14,1612.83 2896.14,1502.83 2816.14,1502.83 2816.14,1612.83
  region net CELL23: 8287.48,1770.45 8370.16,1770.45 8370.16,1851.16 8287.48,1851.16
  region net CELL22: 8037.48,1770.45 8120.16,1770.45 8120.16,1833.44 8037.48,1833.44 8037.48,1770.45
  region net CELL0: 2475,1767.95 2628.03,1767.95 2628.03,1878 2512,1878 2475,1836.52
Bottom Layer:
  region net CELL_UF_0: 2677,2850 2482,2850 2482,2626 2677,2626
  region net CELL_UF_1: 2932.5,2850 2737.5,2850 2737.5,2626 2932.5,2626
  region net CELL_UF_2: 3187.05,2850 2992.05,2850 2992.05,2626 3187.05,2626
  region net CELL_UF_3: 3441.59,2850 3246.59,2850 3246.59,2626 3441.59,2626
  region net CELL_UF_4: 3696.14,2850 3501.14,2850 3501.14,2626 3696.14,2626
  region net CELL_UF_5: 3950.68,2850 3755.68,2850 3755.68,2626 3950.68,2626
  region net CELL_UF_6: 4205.23,2850 4010.23,2850 4010.23,2626 4205.23,2626
  region net CELL_UF_7: 4459.77,2850 4264.77,2850 4264.77,2626 4459.77,2626
  region net CELL_UF_8: 4714.32,2850 4519.32,2850 4519.32,2626 4714.32,2626
  region net CELL_UF_9: 4968.86,2850 4773.86,2850 4773.86,2626 4968.86,2626
  region net CELL_UF_10: 5223.41,2850 5028.41,2850 5028.41,2626 5223.41,2626
  region net CELL_UF_11: 5477.95,2850 5282.95,2850 5282.95,2626 5477.95,2626
  region net CELL_UF_12: 5727.55,2850 5532.55,2850 5532.55,2626 5727.55,2626
  region net CELL_UF_13: 5977.55,2850 5782.55,2850 5782.55,2626 5977.55,2626
  region net CELL_UF_14: 6227.55,2850 6032.55,2850 6032.55,2626 6227.55,2626
  region net CELL_UF_15: 6477.55,2850 6282.55,2850 6282.55,2626 6477.55,2626
  region net CELL_UF_16: 6727.55,2850 6532.55,2850 6532.55,2626 6727.55,2626
  region net CELL_UF_17: 6977.55,2850 6782.55,2850 6782.55,2626 6977.55,2626
  region net CELL_UF_18: 7227.55,2850 7032.55,2850 7032.55,2626 7227.55,2626
  region net CELL_UF_19: 7477.55,2850 7282.55,2850 7282.55,2626 7477.55,2626
  region net CELL_UF_20: 7727.55,2850 7532.55,2850 7532.55,2626 7727.55,2626
  region net CELL_UF_21: 7977.55,2850 7782.55,2850 7782.55,2626 7977.55,2626
  region net CELL_UF_22: 8227.55,2850 8032.55,2850 8032.55,2626 8227.55,2626
  region net CELL_UF_24: 8727.5,2850 8532.5,2850 8532.5,2626 8727.5,2626
  region net CELL_UF_23: 8477.55,2850 8282.55,2850 8282.55,2626 8477.55,2626
  region net C12: 5451,1302 5455.52,1306 5504.48,1306 5509,1302 5509,1263.66 5451,1263.66
  region net C24: 8521.92,1179.49 8578.49,1122.92 8543.03,1087.46 8486.46,1144.03
  region net C23: 8215,1313.81 8295,1313.81 8295,1263.66 8215,1263.66
  region net C22: 7965,1313.81 8045,1313.81 8045,1263.66 7965,1263.66
  region net C21: 7715,1313.81 7795,1313.81 7795,1263.66 7715,1263.66
  region net C20: 7465,1313.81 7545,1313.81 7545,1263.66 7465,1263.66
  region net C19: 7215,1313.81 7295,1313.81 7295,1263.66 7215,1263.66
  region net C18: 6965,1313.81 7045,1313.81 7045,1263.66 6965,1263.66
  region net C17: 6715,1313.81 6795,1313.81 6795,1263.66 6715,1263.66
  region net C16: 6465,1313.81 6545,1313.81 6545,1263.66 6465,1263.66
  region net C15: 6215,1313.81 6295,1313.81 6295,1263.66 6215,1263.66
  region net C14: 5965,1313.81 6045,1313.81 6045,1263.66 5965,1263.66
  region net C13: 5715,1313.81 5795,1313.81 5795,1263.66 5715,1263.66
  region net C11: 5215,1313.81 5295,1313.81 5295,1263.66 5215,1263.66
  region net C10: 4965,1313.81 5045,1313.81 5045,1263.66 4965,1263.66
  region net C9: 4715,1313.81 4795,1313.81 4795,1263.66 4715,1263.66
  region net C8: 4465,1313.81 4545,1313.81 4545,1263.66 4465,1263.66
  region net C7: 4215,1313.81 4295,1313.81 4295,1263.66 4215,1263.66
  region net C6: 3965,1313.81 4045,1313.81 4045,1263.66 3965,1263.66
  region net C5: 3715,1313.81 3795,1313.81 3795,1263.66 3715,1263.66
  region net C4: 3465,1313.81 3545,1313.81 3545,1263.66 3465,1263.66
  region net C3: 3215,1313.81 3295,1313.81 3295,1263.66 3215,1263.66
  region net C2: 2965,1313.81 3045,1313.81 3045,1263.66 2965,1263.66
  region net C1: 2715,1313.81 2795,1313.81 2795,1263.66 2715,1263.66
  region net CELL_UF_24: 8810,2850 8532.5,2850 8532.5,2805 8810,2805
  region net CELL_UF_0: 2400,2805 2677.5,2805 2677.5,2850 2400,2850
  pour cut-out: 2523.62,2455 8735,2455 8735,2305 2525,2305

## Silkscreen, mask and mechanical layers (free items; w line width, h text height)
Top Overlay:
  drawing of 474 lines, arcs and shapes, not listed
  text "CELL24" at 8530,2673 h40
  text "CELL0" at 2485,2670 h40
  text "CELL1" at 2725,2670 h40
  text "CELL2" at 2979.55,2670 h40
  text "CELL3" at 3234.09,2670 h40
  text "CELL5" at 3743.18,2670 h40
  text "CELL6" at 3997.73,2670 h40
  text "CELL7" at 4252.27,2670 h40
  text "CELL8" at 4506.82,2670 h40
  text "CELL9" at 4761.36,2670 h40
  text "CELL10" at 5015.91,2670 h40
  text "CELL11" at 5270.45,2670 h40
  text "CELL12" at 5524.55,2670 h40
  text "CELL13" at 5774.55,2670 h40
  text "CELL14" at 6024.55,2670 h40
  text "CELL15" at 6274.55,2670 h40
  text "CELL16" at 6524.55,2670 h40
  text "CELL17" at 6774.55,2670 h40
  text "CELL18" at 7024.55,2670 h40
  text "CELL19" at 7274.55,2670 h40
  text "CELL20" at 7524.55,2670 h40
  text "CELL21" at 7774.55,2670 h40
  text "CELL22" at 8024.55,2670 h40
  text "CELL23" at 8274.55,2670 h40
  text "CELL4" at 3488.41,2668.66 h40
  text "- +" at 2605.45,2550 h60
  text "- +" at 2860,2550 h60
  text "- +" at 3114.55,2550 h60
  text "- +" at 3369.09,2550 h60
  text "- +" at 3878.18,2550 h60
  text "- +" at 4132.73,2550 h60
  text "- +" at 4387.27,2550 h60
  text "- +" at 4641.82,2550 h60
  text "- +" at 4896.36,2550 h60
  text "- +" at 5150.91,2550 h60
  text "- +" at 5405.45,2550 h60
  text "- +" at 5659.55,2550 h60
  text "- +" at 5909.55,2550 h60
  text "- +" at 6159.55,2550 h60
  text "- +" at 6409.55,2550 h60
  text "- +" at 6659.55,2550 h60
  text "- +" at 6909.55,2550 h60
  text "- +" at 7159.55,2550 h60
  text "- +" at 7409.55,2550 h60
  text "- +" at 7659.55,2550 h60
  text "- +" at 7909.55,2550 h60
  text "- +" at 8159.55,2550 h60
  text "- +" at 8409.55,2550 h60
  text "- +" at 3623.41,2548.66 h60
  text "5VMAX" at 2590.45,2475 h40
  text "5VMAX" at 2845,2475 h40
  text "5VMAX" at 3099.55,2475 h40
  text "5VMAX" at 3354.09,2475 h40
  text "5VMAX" at 3863.18,2475 h40
  text "5VMAX" at 4117.73,2475 h40
  text "5VMAX" at 4372.27,2475 h40
  text "5VMAX" at 4626.82,2475 h40
  text "5VMAX" at 4881.36,2475 h40
  text "5VMAX" at 5135.91,2475 h40
  text "5VMAX" at 5390.45,2475 h40
  text "5VMAX" at 5644.55,2475 h40
  text "5VMAX" at 5894.55,2475 h40
  text "5VMAX" at 6144.55,2475 h40
  text "5VMAX" at 6394.55,2475 h40
  text "5VMAX" at 6644.55,2475 h40
  text "5VMAX" at 6894.55,2475 h40
  text "5VMAX" at 7144.55,2475 h40
  text "5VMAX" at 7394.55,2475 h40
  text "5VMAX" at 7644.55,2475 h40
  text "5VMAX" at 7894.55,2475 h40
  text "5VMAX" at 8144.55,2475 h40
  text "5VMAX" at 8394.55,2475 h40
  text "5VMAX" at 3608.41,2473.66 h40
  text "BAT1" at 2593.45,2400 h45
  text "BAT2" at 2848,2400 h45
  text "BAT3" at 3102.55,2400 h45
  text "BAT4" at 3357.09,2400 h45
  text "BAT5" at 3611.41,2400 h45
  text "BAT6" at 3866.18,2400 h45
  text "BAT7" at 4120.73,2400 h45
  text "BAT8" at 4375.27,2400 h45
  text "BAT9" at 4629.82,2400 h45
  text "BAT10" at 4884.36,2400 h45
  text "BAT11" at 5138.91,2400 h45
  text "BAT12" at 5393.45,2400 h45
  text "BAT13" at 5647.55,2400 h45
  text "BAT14" at 5897.55,2400 h45
  text "BAT15" at 6147.55,2400 h45
  text "BAT16" at 6397.55,2400 h45
  text "BAT17" at 6647.55,2400 h45
  text "BAT18" at 6897.55,2400 h45
  text "BAT19" at 7147.55,2400 h45
  text "BAT20" at 7397.55,2400 h45
  text "BAT21" at 7647.55,2400 h45
  text "BAT22" at 7897.55,2400 h45
  text "BAT23" at 8147.55,2400 h45
  text "BAT24" at 8397.55,2400 h45
  text "12" at 2542.8,2324.94 h25 r180
  text "16" at 7938.95,2324.94 h25 r180
  text "5" at 3256.8,2319.94 h25 r180
  text "7" at 8810.42,2319.94 h25 r180
  text "CELL# Start From 0 To 24" at 4990,2235.76 h60 r180
  text "CELL# Start From 0 To 24" at 7516.82,2235.76 h60 r180
  text "2" at 2624.21,2225.37 h30 r180
  text "3" at 2702.95,2225.37 h30 r180
  text "4" at 2781.69,2225.37 h30 r180
  text "5" at 2860.43,2225.37 h30 r180
  text "6" at 2939.17,2225.37 h30 r180
  text "7" at 3017.91,2225.37 h30 r180
  text "8" at 3096.65,2225.37 h30 r180
  text "9" at 3175.39,2225.37 h30 r180
  text "15" at 8020.36,2225.37 h30 r180
  text "16" at 8099.1,2225.37 h30 r180
  text "17" at 8177.83,2225.37 h30 r180
  text "18" at 8256.57,2225.37 h30 r180
  text "19" at 8335.31,2225.37 h30 r180
  text "20" at 8417,2225.37 h30 r180
  text "21" at 8492.79,2225.37 h30 r180
  text "22" at 8571.53,2225.37 h30 r180
  text "23" at 8650.27,2225.37 h30 r180
  text "24" at 8729.01,2225.37 h30 r180
  text "CELL#" at 3017.91,2146.26 h50 r180
  text "CELL#" at 8492.79,2146.26 h50 r180
  text "1" at 2624.21,2138.76 h30 r180
  text "0" at 2702.95,2138.76 h30 r180
  text "11" at 3096.65,2138.76 h30 r180
  text "10" at 3175.39,2138.76 h30 r180
  text "14" at 8020.36,2138.76 h30 r180
  text "13" at 8099.1,2138.76 h30 r180
  text "12" at 8177.83,2138.76 h30 r180
  text "4" at 2542.8,2044.19 h25 r180
  text "6" at 7938.95,2044.19 h25 r180
  text "1" at 3256.8,2039.19 h25 r180
  text "1" at 8810.42,2039.19 h25 r180
  text "P1" at 3145.98,2020.35 h60 r180
  text "P2" at 8699.6,2020.35 h60 r180
  text "CELL# Start From 0 To 24" at 3452.27,2016.76 h60
  text "CELL# Start From 0 To 24" at 5979.09,2016.76 h60
  text "Chih-Chung,TSENG" at 10912.28,1900 h40 r90
  text "ON OFF" at 8038.54,1086.45 h40
  text "ON OFF" at 4989.43,1084 h40
  text "DTEN" at 4533.5,1048.41 h50
  text "DTEN" at 7573.6,1044.26 h50
  text "D49" at 7941.8,1036.45 h30 r90
  text "D50" at 4892.69,1034 h30 r90
  text "T1" at 2892.24,1016.38 h35
  text "T2" at 2967.24,1016.38 h35
  text "T3" at 3045.74,1016.38 h35
  text "T4" at 3124.24,1016.38 h35
  text "T5" at 3203.24,1016.38 h35
  text "T6" at 5931,1009.84 h35
  text "T7" at 6010,1009.84 h35
  text "T8" at 6088.5,1009.84 h35
  text "T9" at 6167,1009.84 h35
  text "T10" at 6246,1009.84 h35
  text "0 1" at 4574.35,983.08 h50
  text "0 1" at 7614.45,978.94 h50
  text "B" at 8011.24,912.5 h40
  text "B" at 4987.29,895.17 h40
  text "E" at 7868.95,880.82 h40
  text "T2" at 3512.24,871.57 h38
  text "T7" at 6555,865.04 h38
  text "E" at 4845,863.49 h40
  text "-t" at 2465,855.44 h38
  text "-t" at 5507.87,852.38 h38
  text "T1" at 3392.24,816.78 h38
  text "T6" at 6435,810.24 h38
  text "5V_A" at 4575,760 h50
  text "5V_B" at 7614.6,760 h50
  text "GNDB" at 7614.6,676.87 h50
  text "T1" at 2892.24,671.54 h35
  text "T2" at 2967.24,671.54 h35
  text "T3" at 3045.74,671.54 h35
  text "T4" at 3124.24,671.54 h35
  text "T5" at 3203.24,671.54 h35
  text "GNDA" at 4575,668.13 h50
  text "T6" at 5931,665 h35
  text "T7" at 6010,665 h35
  text "T8" at 6088.5,665 h35
  text "T9" at 6167,665 h35
  text "T10" at 6246,665 h35
  text "10k NTC" at 2615,611.51 h38
  text "10k NTC" at 5657.87,608.45 h38
  text "PORT B" at 10060,598 h140
  text "T3" at 3176.62,586.54 h38
  text "T4" at 3277.24,586.54 h38
  text "T5" at 3372.24,586.54 h38
  text "T8" at 6219.38,580 h38
  text "T9" at 6320,580 h38
  text "T10" at 6415,580 h38
  text "C" at 7828.95,561.71 h40
  text "C" at 4805,544.37 h40
  text "PORT A" at 81,452 h140
  text "Wired BMS Slave Ver. III-1" at 6060,60 h45
Bottom Overlay:
  drawing of 79 lines, arcs and shapes, not listed
Top Solder:
  region: 8580,2848 8530,2848 8530,2803 8580,2803
  region: 8351.55,2850 8280,2850 8280,2730 8351.55,2730
  region: 8101.55,2850 8030,2850 8030,2730 8101.55,2730
  region: 7851.55,2850 7780,2850 7780,2730 7851.55,2730
  region: 7601.55,2850 7530,2850 7530,2730 7601.55,2730
  region: 7351.55,2850 7280,2850 7280,2730 7351.55,2730
  region: 7101.55,2850 7030,2850 7030,2730 7101.55,2730
  region: 6851.55,2850 6780,2850 6780,2730 6851.55,2730
  region: 6601.55,2850 6530,2850 6530,2730 6601.55,2730
  region: 6351.55,2850 6280,2850 6280,2730 6351.55,2730
  region: 6101.55,2850 6030,2850 6030,2730 6101.55,2730
  region: 5851.55,2850 5780,2850 5780,2730 5851.55,2730
  region: 5601.55,2850 5530,2850 5530,2730 5601.55,2730
  region: 5408.45,2730 5480,2730 5480,2850 5408.45,2850
  region: 5153.91,2730 5225.45,2730 5225.45,2850 5153.91,2850
  region: 4899.36,2730 4970.91,2730 4970.91,2850 4899.36,2850
  region: 4644.82,2730 4716.36,2730 4716.36,2850 4644.82,2850
  region: 4390.27,2730 4461.82,2730 4461.82,2850 4390.27,2850
  region: 4135.73,2730 4207.27,2730 4207.27,2850 4135.73,2850
  region: 3881.18,2730 3952.73,2730 3952.73,2850 3881.18,2850
  region: 3626.64,2730 3698.18,2730 3698.18,2850 3626.64,2850
  region: 3372.09,2730 3443.64,2730 3443.64,2850 3372.09,2850
  region: 3117.55,2730 3189.09,2730 3189.09,2850 3117.55,2850
  region: 2863,2730 2934.55,2730 2934.55,2850 2863,2850
  region: 2630,2805 2680,2805 2680,2850 2630,2850
Mechanical 1:
  lines w10: 1092,1470 1092,1570 1780,1570 1930,1420 1930,381 1830,381 1830,1380 1740,1470 1092,1470 ; 8610,710 9160,160 9230.85,230.85 8710,751.69 8710,920 8910,1120 8910,1450 9000,1540 10030,1540 10030,1640 8960,1640 8810,1490 8810,1169.93 8610,969.93 8610,710
  lines w30: 0,0 0,2910 10980,2910 10980,0 0,0